# KiCad board processor.Z80.kicad_pcb (continued)
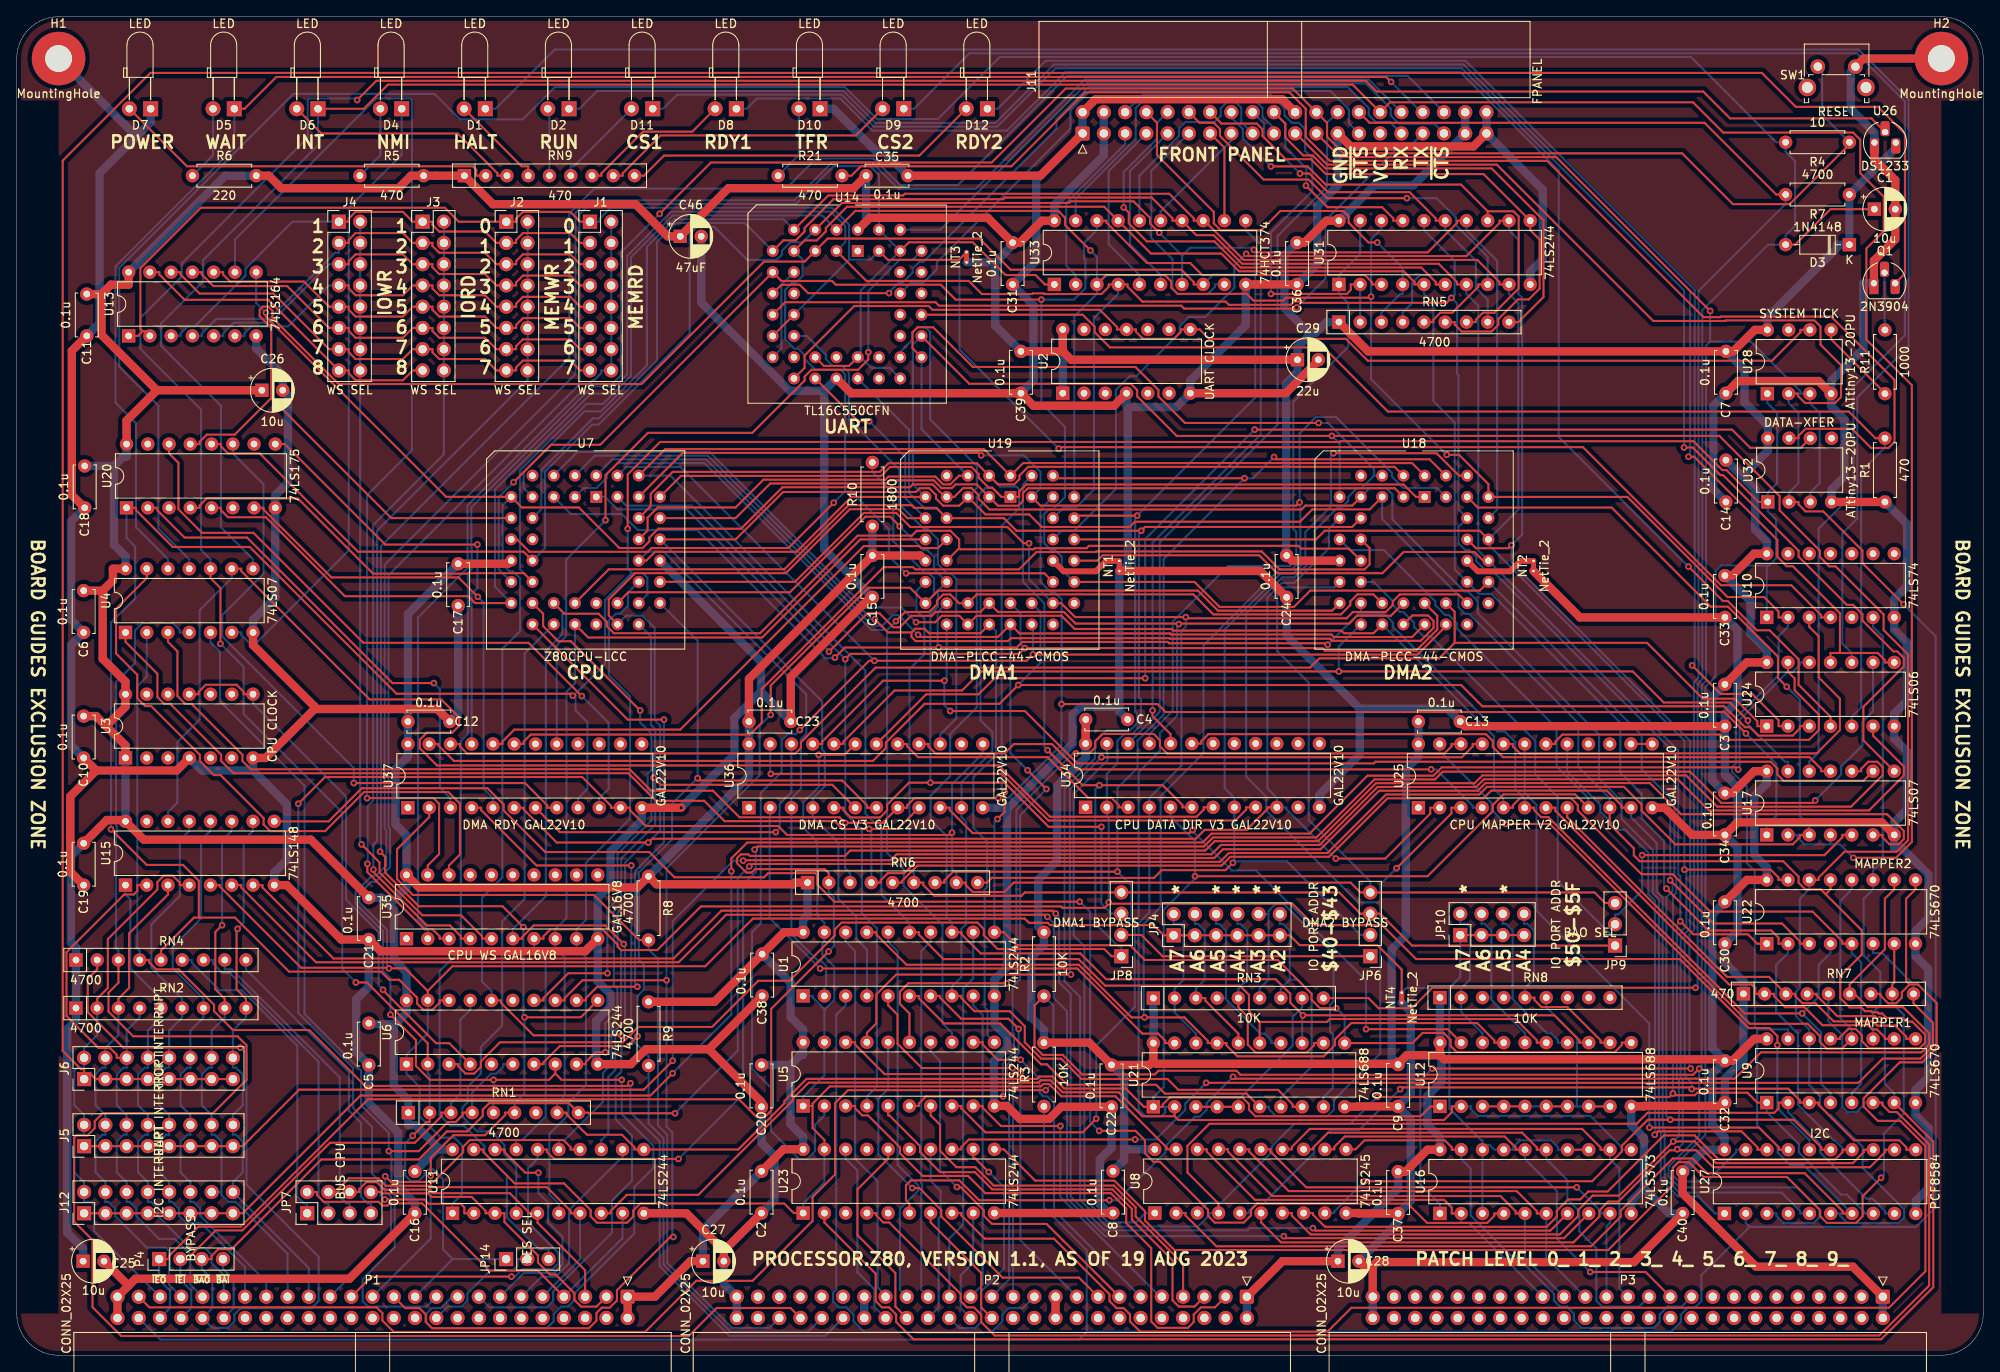
[diagram p0: board, top side]
## Routing (per net, layer and track width the routed paths; a pad name or vN(x,y) marks a point on that pad's centre or on a via; arc(x,y) is an arc through that point) (continued)
ONE: length 264.3
  Top w0.25: NT3.2 112.59,130.94 104.1,130.94 U14.43 ; U13.2 15.91,122.41 15.06,122.41 ; U14.14 U14.15 ; v1(124.51,108.37) 124.7,108.55 187.16,108.55 203.66,92.04 212.06,92.04 215.62,88.48 215.62,88.2 U10.4 ; 15.06,122.41 14.5,121.85 U13.1 ; 15.06,122.41 14.78,122.69 14.78,129.95 22,137.17 51.16,137.17 52.83,135.5 J2.1 59.68,135.5 59.68,135.87 60.48,136.68 66.15,136.68 67.32,135.5 J1.1
  Bottom w0.25: J1.1 69.68,135.5 69.68,135.87 70.97,137.17 97.44,137.17 99.46,135.14 99.46,130.95 ; U14.14 92.89,124.38 99.46,130.95 ; NT3.2 112.66,131.01 112.66,120.22 v1(124.51,108.37) ; U14.43 101.99,130.95 99.46,130.95
RAW-CLK: length 64.8
  Top w0.25: 20.62,79.02 21.74,79.02 21.74,79.3 22.58,80.15 26.27,80.15 27.11,79.3 27.11,79.02 U3.8 ; v1(43.78,43.69) 43.78,43.63 50.09,37.31 51.69,37.31 U6.4
  Bottom w0.25: U3.8 28.23,77.89 39.35,66.78 39.35,54.47 43.24,50.58 43.24,44.22 v1(43.78,43.69)
RDY-Q0: length 58.7
  Top w0.25: U20.2 16.79,101.3 16.79,101.02 20.06,97.75 27.51,97.75 44.91,80.35 v1(49.84,80.35)
  Bottom w0.25: U37.3 51.83,66.58 50.56,67.85 50.56,79.63 v1(49.84,80.35)
RDY-Q1: length 57.2
  Top w0.25: U20.7 29.49,101.3 29.49,101.1 37.6,92.98 52.78,92.98 v1(55.1,90.66)
  Bottom w0.25: v1(55.1,90.66) 55.78,89.98 55.78,67.7 56.91,66.58 U37.5
READY: length 75.6
  Top w0.25: U4.13 15.53,92.89 11.87,89.23 11.87,83.88 14.4,81.35 14.4,78.53 15.33,77.6 16.06,77.6 21.88,71.78 21.88,71.03 23.56,69.35 24.36,69.35 29.5,64.2 29.5,63.45 30.29,62.66 36.85,62.66 41.52,67.33 51.58,67.33 52.96,65.95 52.96,59.85 51.66,58.55 U35.18
RESET: length 88.5
  Top w0.25: v1(101.76,119.9) 101.76,119.02 100.53,117.8 94.97,117.8 94.15,116.98 94.15,116.51 87.9,110.26 75.42,110.26 70.36,105.2 v1(70.36,99.82)
  Bottom w0.25: v1(101.76,119.9) 101.76,127.2 105.53,130.96 107.08,130.96 U14.39 ; v1(70.36,99.82) 65.66,95.12 65.66,85.98 64.53,84.85 U37.17
RX: length 90
  Top w0.25: v1(104.24,126.95) 94.57,126.95 93.57,127.96 91.38,127.96 U14.11
  Bottom w0.25: J11.31 164.11,147.42 162.39,147.42 161.57,148.24 161.57,149.08 159.06,151.59 128.05,151.59 124.25,147.78 124.25,146.62 108.36,130.73 107.88,130.73 107.07,129.92 107.07,129.44 105.82,128.19 105.37,128.19 104.24,127.05 v1(104.24,126.95)
SEL-A14: length 100.2
  Top w0.25: v1(126.57,71.96) 128.17,71.96 128.89,72.68 128.89,73.43 129.73,74.26 135.87,74.26 136.62,73.52 136.62,72.79 137.47,71.93 170.6,71.93 171.45,72.79 171.45,73.07 U25.22 ; 106.68,37.42 106.68,40.86 105.54,42 105.54,43.45 106.55,44.47 v1(118.29,44.47)
  Bottom w0.25: v1(118.29,44.47) 119.46,45.64 119.46,65.19 126.23,71.96 v1(126.57,71.96)
SEL-A15: length 104.3
  Top w0.25: v1(129.62,71.48) 172.69,71.48 173.99,72.79 173.99,73.07 U25.21 ; v1(125.98,45.5) 105.09,45.5 102.72,43.14 102.72,39.67 101.59,38.55 U5.17
  Bottom w0.25: v1(129.62,71.48) 125.85,67.71 125.85,45.64 v1(125.98,45.5)
TX: length 91.4
  Top w0.25: v1(152.95,125.24) 152.82,125.11 139.51,125.11 139.16,125.46 110.22,125.46 109.8,125.87 91.83,125.87 U14.13
  Bottom w0.25: v1(152.95,125.24) 156.4,128.69 156.4,135.68 165.55,144.84 166.8,144.84 J11.33
UART-CLK: length 131.7
  Top w0.25: U28.6 213.15,122.57 213.15,122.29 209.74,118.87 161.46,118.87 158.84,121.49 142.49,121.49 141.37,122.62 U2.8 139.11,122.62 139.11,122.34 138.27,121.49 134.59,121.49 133.75,122.34 133.75,122.62 U2.11 131.49,122.62 131.49,122.9 129.42,124.97 109.43,124.97 108.98,125.42 100.07,125.42 94.15,119.5 94.15,118.03 U14.18
WS-IORD: length 94.7
  Top w0.25: v1(41.9,58.75) 41.9,57.76 48.73,50.93 49.69,50.93 50.53,50.08 50.53,49.8 U35.3
  Bottom w0.25: J3.2 J3.4 J3.6 J3.8 J3.10 J3.12 J3.14 J3.16 51.04,107.69 42.59,99.24 42.59,66.3 41.94,65.65 41.94,58.79 v1(41.9,58.75)
WS-IOWR: length 95.6
  Top w0.25: v1(41.2,61.07) 43.35,58.92 43.35,57.72 48.48,52.59 53.1,52.59 55.61,50.08 55.61,49.8 U35.5
  Bottom w0.25: J4.2 J4.4 J4.6 J4.8 J4.10 J4.12 J4.14 J4.16 41.04,61.23 v1(41.2,61.07)
WS-MEMRD: length 96.5
  Bottom w0.25: U35.2 49.11,50.93 47.95,52.09 47.95,88.18 53.88,94.11 53.88,96.41 53.87,96.42 53.87,101.58 68.83,116.54 68.99,116.54 69.86,117.42 69.86,117.72 J1.16 J1.14 J1.12 J1.10 J1.8 J1.6 J1.4 J1.2
WS-MEMWR: length 100.4
  Top w0.25: v1(42.62,58.06) 42.62,57.77 49.02,51.38 51.78,51.38 53.07,50.08 53.07,49.8 U35.4
  Bottom w0.25: v1(42.62,58.06) 42.62,61.05 43.07,61.5 43.07,98.58 61.04,116.54 J2.16 J2.14 J2.12 J2.10 J2.8 J2.6 J2.4 J2.2
ZERO: length 451
  Top w0.25: U14.21 96.46,118.26 99.46,118.26 U14.25 ; 49.11,43.55 46.41,46.25 v1(44.47,46.25) 44.41,46.32 33.99,46.32 24.28,56.02 24.28,56.2 U15.5 ; 49.11,43.55 U6.19 ; 49.11,43.55 52.07,46.5 82.28,46.5 87.98,52.2 120.45,52.2 120.97,51.69 123.22,51.69 123.49,51.42 135.86,51.42 137.07,50.2 JP4.1 JP4.3 JP4.5 JP4.7 JP4.9 JP4.11 152.13,50.2 153.3,49.02 162.59,49.02 165.5,46.12 NT4.2 ; JP10.1 JP10.3 JP10.5 JP10.7 ; U14.41 106.62,133.04 114.25,133.04 118.16,129.13 121.75,129.13 122.87,128 U33.1 ; U16.14 U16.13
  Bottom w0.25: U6.19 49.11,38.47 46.58,35.93 U6.1 46.58,33.67 48.15,32.1 48.15,28.54 50.68,26.01 52.28,26.01 53.2,25.1 53.2,19.23 52.08,18.1 U11.1 ; 171.2,43.91 166.06,43.91 NT4.2 ; 171.2,43.91 172.5,45.21 JP10.1 ; 171.2,43.91 171.2,29.51 175.01,25.7 175.16,25.7 175.16,25.13 ; 175.16,25.13 U16.18 U16.3 ; 175.16,25.13 176.01,25.13 176.57,24.57 U16.17 178.82,24.57 178.82,24.85 179.66,25.7 183.35,25.7 184.19,24.85 184.19,24.57 U16.14 ; 100.85,119.3 100.85,127.27 U14.41 U14.42 103.04,141.08 101.98,142.14 97.62,142.14 93.1,137.62 68.46,137.62 67.22,136.39 67.22,116.05 44.42,93.25 44.42,63.14 44.6,62.96 44.6,58.34 42.85,56.59 42.35,56.59 40.95,55.19 40.95,54.15 44.25,50.84 44.25,46.48 v1(44.47,46.25) ; 100.85,119.3 U14.25 ; 100.85,119.3 102.12,118.03 104.31,118.03 U14.28
~{BAI}: length 8.1
  Bottom w0.25: P4.4 24.64,10.32 25.92,9.05 25.92,5.64 P1.40
~{BAO}: length 333.7
  Top w0.25: RN4.2 9.62,46.12 8.48,44.99 8.48,41.03 12.73,36.78 v1(26.72,36.78) ; v1(87.54,58.44) 87.83,58.72 104.93,58.72 105.63,59.43 143.09,59.43 144.15,60.48 155.8,60.48 162.8,67.48 174.59,67.48 175.51,68.4 195.16,68.4 198.88,64.68 223.5,64.68 225.5,62.68 225.5,61.7 224.88,61.07 223.79,61.07 222.95,61.92 222.95,62.2 U17.6 ; v1(78.67,28.93) 68.32,28.93 68.25,29 RN1.9 65.99,30.13 56.46,30.13 55.69,29.37 55.69,28.61 53.84,26.76 51.41,26.76 48.06,23.4 36.39,23.4 25.66,12.68 24.08,12.68 23.27,11.87 23.27,11.5 P4.3
  Bottom w0.25: P4.3 22.1,10.32 23.38,9.04 23.38,5.64 P1.42 23.38,3.28 25.24,3.28 26.01,4.05 26.01,4.89 26.75,5.64 35.23,5.64 36.08,6.48 36.08,11.76 27.46,20.38 27.46,36.04 v1(26.72,36.78) ; v1(87.54,58.44) 86.16,57.06 86.16,36.42 v1(78.67,28.93)
~{BUS-EN}: length 163.3
  Top w0.25: U36.19 98.9,71.77 v1(95.84,71.77) ; U23.19 96.51,25.75 95.1,27.16 95.1,29.8 ; U5.1 95.1,29.8 ; 95.1,29.8 95.1,30.08 97.16,32.14 122.39,32.14 122.66,32.42 123.37,32.42 124.82,30.96 131.29,30.96 137.41,24.84 137.41,24.62 U8.19 ; U11.19 55.74,24.59 55.74,24.31 59.51,20.54 65.39,20.54 68.58,17.35 68.58,16.61 69.34,15.85 72.94,15.85 73.67,16.58 73.67,17.3 74.5,18.14 91.71,18.14 92.85,17 U23.1
  Bottom w0.25: U5.1 93.97,30.93 96.51,33.47 U5.19 96.51,41.3 96.54,41.33 ; U23.19 96.51,20.67 93.97,18.13 U23.1 ; 96.54,41.33 97.69,42.48 97.69,46.47 96.28,47.88 96.28,49.21 96.51,49.44 U1.19 96.51,51.7 95.67,52.54 95.67,61.37 93.99,63.05 93.99,66.08 95.84,67.93 v1(95.84,71.77) ; 96.54,41.33 95.1,42.77 95.1,42.95 U1.1
~{BUSACK}: length 27.7
  Top w0.25: U11.18 58.28,24.59 58.28,24.31 60.77,21.82 v1(62.34,21.82)
  Bottom w0.25: v1(62.34,21.82) 62.34,19.41 63.5,18.24 63.5,15.89 65.22,14.17 65.22,10.85 64.22,9.85 60.61,9.85 P1.13
~{BUSRQ}: length 223.3
  Top w0.25: P1.23 46.42,5.64 48.13,5.64 48.87,4.89 48.87,3.99 49.62,3.23 68.38,3.23 69.28,4.14 69.28,5.05 69.92,5.69 70.87,5.69 71.73,6.55 71.73,7.77 78.1,14.15 v1(78.46,14.15) ; v1(90.1,76.55) 90.1,80.07 101.77,91.74 106.75,91.74 U19.17 110.09,91.4 141.15,91.4 143.54,89 157.19,89 U18.17 ; v1(77.65,44.83) 67.61,44.83 65.48,42.7 65.48,42.42 U6.13
  Bottom w0.25: U19.17 109.63,90.94 109.63,92.87 108.95,93.55 108.51,93.55 104.75,97.3 104.75,103.09 102.25,105.59 R10.2 ; v1(90.1,76.55) 88.77,75.23 88.77,69.32 77.65,58.2 v1(77.65,44.83) 77.65,27.33 78.35,26.63 78.35,14.26 v1(78.46,14.15)
~{CE-DMA-RDY}: length 41.2
  Top w0.25: v1(90.7,62.53) 64.91,62.53 U37.7
  Bottom w0.25: v1(90.7,62.53) 91.17,62.99 91.17,65.87 92.58,67.29 U36.22
~{CPU-BUSACK}: length 121.5
  Top w0.25: v1(129.61,63.17) 123.32,63.17 118.04,68.45 v1(109.18,68.45) 106.63,68.45 104.01,65.83 104.01,65.13 103.17,64.29 99.67,64.29 98.79,65.17 98.79,65.45 U36.5 ; U7.27 73.09,91.21 92.39,91.21 101.43,100.24 104.38,100.24 v1(105.52,99.1)
  Bottom w0.25: JP8.3 130.82,52.78 129.61,53.99 v1(129.61,63.17) ; v1(105.52,99.1) 108.37,96.25 108.8,96.25 109.63,95.42 109.63,93.94 U19.16 110.08,91.39 110.08,89.48 109.18,88.58 v1(109.18,68.45)
~{CPU-BUSRQ}: length 94
  Top w0.25: U6.7 62.94,34.8 62.94,35 64.89,36.96 73.02,36.96 v1(74.18,38.13) ; v1(81.37,68.98) 81.64,68.7 98.64,68.7 101.61,65.73 101.61,65.45 U36.7
  Bottom w0.25: U7.29 81.37,85.41 v1(81.37,68.98) 78.31,65.92 78.31,61.66 74.34,57.69 74.34,47.27 74.93,46.68 74.93,43.7 74.18,42.95 v1(74.18,38.13)
~{CPU-HALT}: length 78.5
  Bottom w0.25: U7.20 60.69,83.89 60.69,54.54 58,51.86 58,39.4 55.47,36.86 55.47,33.67 53.9,32.11 53.9,30.28 53.26,29.64 53.26,28.53 55.04,26.75 56.67,26.75 58.28,25.14 58.28,24.04 59.69,22.63 U11.4
~{CPU-INT}: length 62
  Top w0.25: U6.12 68.02,42.42 68.02,42.7 69.37,44.06 v1(74.16,44.06) ; U7.18 73.02,75.98 v1(77.34,75.98)
  Bottom w0.25: v1(74.16,44.06) 73.89,44.33 73.89,57.87 77.34,61.33 v1(77.34,75.98)
~{CPU-IORQ}: length 361.1
  Top w0.25: U7.22 68.28,85.8 89.09,85.8 100.81,97.52 U19.11 ; U25.9 186.22,67.05 177.66,67.05 176.39,65.78 176.39,65.06 168.59,57.26 v1(140.8,57.26) ; RN1.8 65.71,29 65.71,28.79 68.13,26.36 72.33,26.36 73.81,24.88 73.81,24.59 U11.11 86.22,24.59 91.74,30.12 91.74,30.39 94.39,33.04 121.92,33.04 122.2,33.32 123.74,33.32 125.18,31.88 132.52,31.88 134.7,29.7 U21.1 136.95,29.7 136.95,29.98 137.79,30.83 146.46,30.83 147.25,30.03 147.25,29.34 148.02,28.57 167.77,28.57 168.95,29.75 U12.1
  Bottom w0.25: U34.5 137.88,64.37 140.8,61.45 v1(140.8,57.26) 140.8,57 137.07,53.26 137.07,32.07 135.82,30.83 U21.1 ; U25.9 187.82,66.58 184.01,70.39 184.01,74.96 172.06,86.91 172.06,87.56 171.12,88.51 170.68,88.51 169.52,89.66 169.52,90.11 163.38,96.25 159.36,96.25 U18.11 ; RN1.8 64.58,30.13 65.48,31.03 65.48,47.55 64.36,48.67 U35.8 64.36,50.93 65.7,52.27 65.7,79.31 66.71,80.32 U7.22
~{CPU-M1}: length 312.8
  Top w0.25: U7.31 93,92.45 101.24,100.69 105.1,100.69 106.78,99.01 118.38,99.01 120.33,97.06 v1(120.96,97.06) ; U19.30 124.81,89.9 126.47,88.23 v1(139.7,88.23) 139.84,88.09 158.92,88.09 159.67,88.85 163.6,88.85 164.44,89.69 164.44,90.11 165.28,90.95 172.28,90.95 U18.30 ; 172.62,29.75 171.49,29.75 171.49,29.05 170.57,28.12 138.82,28.12 138.37,28.57 ; U21.2 138.37,28.57 ; 138.37,28.57 134.53,28.57 131.67,31.43 124.99,31.43 123.55,32.87 122.39,32.87 122.11,32.59 94.65,32.59 92.76,30.7 92.76,30.48 81.46,19.18 72.9,19.18 70.98,17.26 70.98,16.97 U11.8
  Bottom w0.25: U16.11 191.81,24.57 191.81,24.85 188.04,28.62 174.58,28.62 173.74,29.47 173.74,29.75 172.62,29.75 ; v1(139.7,88.23) 139.7,87.11 139.18,86.59 139.18,70.46 135.34,66.63 U34.4 135.34,52.92 134.06,51.64 134.06,29.4 134.88,28.57 136.82,28.57 137.24,29 137.24,29.7 U21.2 ; U19.30 120.96,92.77 v1(120.96,97.06)
~{CPU-MREQ}: length 191.6
  Top w0.25: 112.62,96.47 112.75,96.34 121.54,96.34 121.67,96.47 127.84,96.47 128.12,96.75 153.16,96.75 153.5,96.42 159.19,96.42 U18.14 ; 112.62,96.47 U19.14 ; 112.62,96.47 112.62,97.51 111.57,98.56 107.55,98.56 106.97,97.97 100.5,97.97 88.83,86.31 71.36,86.31 70.52,87.15 70.52,87.65 69.53,88.64 65.44,88.64 U7.21 ; v1(72.53,49.16) 70.31,51.38 61.78,51.38 60.4,49.99 60.4,49.8 U35.6
  Bottom w0.25: v1(72.53,49.16) 72.68,49.01 72.68,39.96 71.52,38.81 71.52,34.09 70.7,33.27 70.7,26.57 69.86,25.72 U11.13 ; U35.6 59.28,50.93 63.23,54.88 63.23,84.21 65.21,86.18 65.21,88.87 U7.21
~{CPU-NMI}: length 63.8
  Top w0.25: U6.14 62.94,42.42 62.94,42.7 65.9,45.67 v1(70.58,45.67) ; U7.19 62.9,88.64 62.9,87.16 64.71,85.35 66.22,85.35 v1(74.5,77.07)
  Bottom w0.25: v1(70.58,45.67) 70.58,53.28 71.79,54.49 71.79,59.88 75.84,63.93 75.84,67.2 75.38,67.65 75.38,69.5 75.84,69.95 75.84,74.31 74.5,75.65 v1(74.5,77.07)
~{CPU-RD}: length 371.9
  Top w0.25: v1(130.5,54.14) 130.5,53.98 ; 130.5,53.98 130,53.48 124.97,53.48 124.8,53.65 81.76,53.65 76.54,48.43 72.23,48.43 71.81,48.86 71.81,49.08 69.96,50.93 63.78,50.93 62.94,50.08 62.94,49.8 U35.7 ; 130.5,53.98 152.44,53.98 155.01,51.42 163.17,51.42 167.22,47.36 198.72,47.36 206.97,39.11 209.45,39.11 210.4,38.16 v1(210.4,37.07) ; U7.23 70.75,93.95 91.73,93.95 99.39,101.61 106.95,101.61 107.26,101.3 109.89,101.3 U19.10 117.97,100.06 119.47,98.56 v1(134.38,98.56) 134.83,99.01 159.58,99.01 U18.10
  Bottom w0.25: v1(210.4,37.07) 210.4,29.54 214.24,25.7 214.24,24.57 ; U11.17 59.69,25.72 60.4,25.72 63.2,28.52 63.2,47.29 61.81,48.67 U35.7 ; U19.10 110.02,101.17 108.55,101.17 106.63,103.09 106.63,110.63 U14.24 ; v1(134.38,98.56) 134.1,98.28 134.1,78.65 134.33,78.42 134.33,75.28 133.29,74.25 132.32,74.25 131.53,73.46 131.53,70.77 130.26,69.5 U34.2 130.26,64.37 130.5,64.14 v1(130.5,54.14)
~{CPU-RESET}: length 474
  Top w0.25: 21.76,52.31 26.08,52.31 32.54,45.86 43.53,45.86 44.5,44.89 45.71,44.89 47.84,42.75 47.84,42.04 48.59,41.29 49.69,41.29 50.53,42.14 50.53,42.42 U6.18 ; 21.76,52.31 21.76,56.72 19.86,58.62 15.52,58.62 v1(11.26,62.88) ; 21.76,52.31 21.17,52.31 17.23,48.38 RN4.5 ; U20.1 14.25,101.3 14.25,101.02 18.65,96.61 27.84,96.61 45.38,79.08 66.21,79.08 v1(66.45,78.83) ; U32.1 208.12,102 204.32,105.81 203.82,105.81 200.36,109.26 158.19,109.26 158.1,109.17 76.88,109.17 73.01,105.3 v1(73.01,98.79)
  Bottom w0.25: 206.62,24.57 205.49,24.57 205.49,24.29 201.97,20.77 198.64,20.77 197.9,21.51 197.9,22.44 201.79,26.33 201.79,56.99 201.81,57 201.81,59.1 201.79,59.11 201.79,79.91 203,81.12 203,93.73 203.68,94.41 209.12,94.41 ; U28.1 209.2,113.82 210.38,112.65 210.38,104.25 209.25,103.13 U32.1 209.25,100.87 210.25,99.87 210.25,95.25 209.41,94.41 209.12,94.41 ; 73.53,93.51 73.01,94.03 v1(73.01,98.79) ; 73.53,93.51 74.8,93.51 75.37,92.94 75.37,90.95 U7.30 ; 73.53,93.51 70.3,90.29 70.3,82.62 66.77,79.09 66.77,78.83 ; 209.12,94.41 U10.1 ; 66.77,78.83 66.77,77.1 68.2,75.68 68.2,67.7 67.07,66.58 U37.9 ; 66.77,78.83 v1(66.45,78.83) ; U20.1 13.12,97.7 14.16,96.67 14.16,90.48 11.26,87.58 v1(11.26,62.88)
~{CPU-RFSH}: length 83.7
  Bottom w0.25: U11.6 64.78,18.1 63.65,19.23 63.65,26.47 65.93,28.76 65.93,30.2 68.02,32.29 68.02,47.55 66.89,48.67 U35.9 66.89,50.93 68.02,52.05 68.02,58.86 73.29,64.14 73.29,78.75 70.75,81.29 70.75,87.81 71.59,88.64 72.08,88.64 73.06,89.62 73.06,91.18 U7.32
~{CPU-WAIT}: length 84.7
  Top w0.25: v1(76.11,69.03) 76.95,68.2 97.45,68.2 U36.6 ; v1(70.33,36.21) 69.15,36.21 68.02,35.08 68.02,34.8 U6.9
  Bottom w0.25: U7.28 75.8,85.9 75.8,75.34 76.29,74.85 76.29,69.21 v1(76.11,69.03) 76.29,68.85 76.29,63.43 72.24,59.38 72.24,53.98 71.36,53.1 71.36,44.21 71.78,43.79 71.78,41.14 70.33,39.69 v1(70.33,36.21)
~{CPU-WR}: length 302.5
  Top w0.25: U7.26 70.75,88.41 70.75,90.34 73.89,93.49 91.9,93.49 99.55,101.14 105.36,101.14 106.44,100.06 U19.9 ; U37.6 60.58,65.45 60.58,65.25 64.53,61.29 v1(75.47,61.29) 75.92,61.74 140.89,61.74 141.95,62.8 146.97,62.8 149.46,65.3 149.46,65.5 U34.10 ; v1(101.87,111.66) 100.52,111.66 U14.20 ; U25.2 168.91,65.45 168.91,64.75 163.54,59.37 v1(157.63,59.37)
  Bottom w0.25: v1(101.87,111.66) 106.18,107.35 106.18,102.47 U19.9 ; U7.26 72.83,88.41 74.76,88.41 76.25,86.92 76.25,75.91 76.89,75.27 76.89,62.71 v1(75.47,61.29) 75.11,61.29 72.69,58.87 72.69,53.8 71.81,52.91 71.81,48.86 72.23,48.44 72.23,40.79 71.07,39.63 71.07,34.79 70.05,33.77 70.05,30.29 65.48,25.72 64.78,25.72 U11.15 ; v1(157.63,59.37) 151.71,65.28 151.71,65.5 U34.10 150.59,66.63 149.45,67.76 149.45,90.58 151.19,92.31 152.65,92.31 156.81,96.48 156.81,98.78 U18.9
~{CS-I2C-WR}: length 66.3
  Top w0.25: U27.18 208.03,24.57 208.03,24.85 206.11,26.77 196.15,26.77 v1(195.74,26.36)
  Bottom w0.25: U25.17 185.28,69.75 189.23,65.8 189.23,64.98 191.38,62.83 192.22,62.83 194.97,60.08 194.97,55.15 195.77,54.34 195.77,27.88 195.83,27.82 195.83,26.45 v1(195.74,26.36)
~{CS-I2C}: length 69.9
  Top w0.25: U27.17 210.57,24.57 210.57,24.85 208.2,27.22 v1(195.1,27.22)
  Bottom w0.25: v1(195.1,27.22) 195.1,39.65 181.61,53.14 181.61,65.8 180.2,67.21 U25.19
~{CS-IO}: length 77.9
  Top w0.25: 172.62,37.37 171,38.98 v1(161.24,38.98) ; U36.10 111.49,65.45 111.49,65.17 114.24,62.42 140.14,62.42 v1(140.52,62.79)
  Bottom w0.25: v1(140.52,62.79) 140.52,62.64 145.21,57.95 148.09,57.95 161.24,44.8 v1(161.24,38.98)
~{CS-MAP}: length 71.7
  Top w0.25: v1(169.02,70.04) 126.72,70.04 123.7,73.06 119.16,73.06 118.04,71.94 109.79,71.94 108.95,72.79 108.95,73.07 U36.16
  Bottom w0.25: v1(169.02,70.04) 169.62,70.04 173.99,65.66 173.99,65.45 U25.4
~{CS-UART}: length 59.7
  Bottom w0.25: U14.16 94.43,121.84 96.69,119.58 96.69,119.08 97.51,118.26 98.65,118.26 99.45,117.46 99.45,111.89 105.46,105.89 105.46,101.73 108.4,98.78 108.82,98.78 110.08,97.53 110.08,94.56 111.16,93.48 111.62,93.48 112.27,92.83 112.27,76.11 110.36,74.2 U36.15
~{CTS}: length 75.2
  Bottom w0.25: J11.35 169.37,147.23 165.17,147.23 164.2,148.19 164.2,149.01 161.18,152.04 127.87,152.04 110.37,134.54 U14.40
~{DMA-ADDR}: length 68
  Top w0.25: v1(96.01,46.22) 96.01,46.23 126.73,46.23 134.52,38.45 136.4,38.45 137.24,37.6 137.24,37.32 U21.19
  Bottom w0.25: v1(96.01,46.22) 89.98,52.25 89.98,64.26 90.04,64.32 U36.2
~{DMA-BAO1}: length 183
  Top w0.25: RN6.6 108.33,56.5 108.33,56.22 109.62,54.92 120.07,54.92 120.47,55.32 JP8.4 158.03,55.32 160.57,52.78 JP6.3 162.93,52.78 166.73,48.97 JP9.1
  Bottom w0.25: JP9.1 191,50.15 190.63,50.15 184.15,56.63 184.15,66.75 181.47,69.44 181.47,73.43 168.95,85.95 168.1,85.95 166.98,87.07 166.98,87.57 165.69,88.86 165.27,88.86 164.44,89.69 164.44,90.16 162.16,92.44 U18.16 ; RN6.6 107.2,57.63 106.69,58.14 106.69,82.02 108.47,83.8 108.47,88.03 107.52,88.98 107.52,91.37 U19.15
~{DMA-BAO2}: length 293.6
  Top w0.25: U11.2 53.49,16.97 53.49,17.68 53.07,18.1 49.22,18.1 48.71,18.62 v1(43.99,18.62) ; JP9.3 189.82,54.06 188.56,55.32 JP6.4 160.57,55.32 159.4,56.5 119.13,56.5 118.01,55.37 114.25,55.37 113.41,56.22 113.41,56.5 RN6.8 ; v1(33.65,65.93) 36.84,69.12 67.57,69.12 71.02,65.67 71.02,65.45 U37.11 73.28,65.45 73.28,65.17 75.18,63.26 91,63.26 92.07,62.19 111.49,62.19 v1(111.77,62.47)
  Bottom w0.25: v1(33.65,65.93) 33.65,40.9 40.19,34.35 40.19,29.58 42.47,27.31 42.47,21.71 43.5,20.68 43.5,19.12 v1(43.99,18.62) ; U36.13 115.44,71.94 111.77,68.27 v1(111.77,62.47) 111.77,58.14 112.28,57.63 RN6.8 ; JP6.4 161.75,56.64 154.4,63.99 154.4,80.39 150.62,84.16 150.62,91.09 151.32,91.78 157.43,91.78 U18.15
~{DMA-CS1}: length 144.6
  Top w0.25: U36.21 96.25,73.07 96.25,73.35 103.53,80.63 v1(110.86,80.63) ; v1(111.55,77.01) 120.47,77.01 126.73,70.75 162.17,70.75 162.36,70.95 209.6,70.95 210.4,70.15 210.4,69.42 211.14,68.67 220.68,68.67 U17.9
  Bottom w0.25: U19.18 111.13,80.91 v1(110.86,80.63) 110.86,77.7 v1(111.55,77.01)
~{DMA-CS2}: length 130.4
  Top w0.25: U36.20 98.79,73.07 98.79,73.35 104.89,79.46 112.96,79.46 115.24,81.74 157.98,81.74 v1(157.98,81.74) 193.11,81.74 196.82,78.03 204.73,78.03 v1(206.87,75.88)
  Bottom w0.25: U17.13 211.66,70.95 211.32,70.95 206.87,75.39 v1(206.87,75.88) ; v1(157.98,81.74) 157.98,84.71 U18.18
~{DMA-IEI1}: length 168.2
  Top w0.25: v1(123.19,72.33) 127.38,68.14 v1(129.38,68.14) 136.94,68.14 139.3,65.78 139.3,65.5 U34.6 ; U6.3 52.78,34.8 52.78,34.52 53.62,33.67 54.66,33.67 55.47,34.48 55.47,35.13 57.75,37.41 72.44,37.41 74.27,39.24 83.09,39.24 88.61,44.76 92.34,44.76 97.75,50.17 97.75,50.9 98.57,51.72 114.79,51.72 115.56,50.95 115.56,50.21 117.22,48.56 129.97,48.56 130.82,47.7 JP8.1
  Bottom w0.25: v1(123.19,72.33) 122.79,72.72 122.79,89.89 120.24,92.44 120.24,104.09 U19.42 ; v1(129.38,68.14) 128.89,67.65 128.89,51.62 131.63,48.88 132,48.88 JP8.1
~{DMA-IEO1}: length 164.6
  Top w0.25: v1(146.72,104.84) 124.13,104.84 U19.40 ; JP6.1 136.93,47.7 134.39,50.24 JP8.2 ; RN6.7 110.87,56.5 110.87,56.78 111.89,57.81 v1(131.53,57.81) ; U18.42 168.83,107.1 150.52,107.1 v1(150.25,107.37)
  Bottom w0.25: v1(150.25,107.37) 147.71,104.84 v1(146.72,104.84) 137.04,95.16 137.04,76.58 133.93,73.47 133.93,70.21 131.53,67.81 v1(131.53,57.81) 133.19,56.15 133.19,52.24 132.37,51.42 132,51.42 JP8.2
~{DMA-IEO2}: length 124.2
  Top w0.25: v1(145.33,58.86) 144.45,57.99 136.83,57.99 135.91,57.06 116.51,57.06 115.95,56.5 RN6.9 ; v1(157.35,107.82) 169.67,107.82 172.35,105.14 U18.40
  Bottom w0.25: 145.5,59.04 U34.8 145.5,66.63 144.34,67.79 144.34,86.75 151.03,93.44 152.5,93.44 153.99,94.93 153.99,98.4 157.04,101.46 157.04,107.52 v1(157.35,107.82) ; 145.5,59.04 151.78,59.04 160.57,50.24 JP6.2 ; 145.5,59.04 v1(145.33,58.86)
~{DMA-INT-PULSE1}: length 260.8
  Top w0.25: 18.08,86.4 18.08,85.27 19.2,84.15 19.2,78.8 20.15,77.85 20.9,77.85 26.97,71.78 26.97,71.04 27.95,70.05 73.24,70.05 75.81,67.48 83.2,67.48 86.37,64.31 98.33,64.31 v1(99,63.64) 99.01,63.65 103.48,63.65 U36.8 106.41,65.45 106.41,65.73 107.26,66.59 v1(117.3,66.59) ; v1(206.63,74.33) 204.08,76.89 137.28,76.89 136.33,77.84 v1(124.85,77.84)
  Bottom w0.25: v1(206.63,74.33) 210.27,70.69 210.27,64.47 209.12,63.33 U17.1 ; v1(117.3,66.59) 118.47,66.59 124.85,72.96 v1(124.85,77.84) 124.87,77.87 124.87,90.33 124.04,91.17 123.62,91.17 122.34,92.45 122.34,101.11 U19.41 ; RN6.3 99.58,57.63 99,58.21 v1(99,63.64)
~{DMA-INT-PULSE2}: length 303.7
  Top w0.25: U36.9 105.29,62.92 v1(101.86,62.92) 101.86,62.91 98.7,62.91 97.76,63.85 84.58,63.85 82.15,66.28 76.38,66.28 73.08,69.57 25.89,69.57 24.42,71.04 24.42,71.78 18.34,77.87 17.61,77.87 16.8,78.67 16.8,81.46 12.99,85.27 U4.1 ; U17.3 213.08,62.2 213.08,61.92 212.24,61.07 198.2,61.07 194.17,65.1 194.17,65.84 192.06,67.95 175.69,67.95 174.78,67.03 163.62,67.03 156.63,60.03 144.84,60.03 143.79,58.98 107.42,58.98 106.07,57.63 104.09,57.63 103.25,56.78 103.25,56.5 RN6.4 ; v1(211.52,79.91) 210.47,80.96 210.47,83.5 204.48,89.49 202.43,89.49 190.59,101.33 174.6,101.33 U18.41
  Bottom w0.25: v1(101.86,62.92) 102.12,62.66 RN6.4 ; v1(211.52,79.91) 213.08,78.35 213.08,64.45 214.21,63.33 U17.3
~{DMA-RDY-WR}: length 53.2
  Top w0.25: U20.9 32.03,108.92 44.04,96.9 v1(55.04,96.9)
  Bottom w0.25: U37.21 54.37,91.04 55.04,91.71 v1(55.04,96.9)
~{DMA-RESET1}: length 64.7
  Top w0.25: U19.12 110.09,96.48 108.08,96.48 107.84,96.73 101.23,96.73 79.29,74.79 59.47,74.79 58.04,73.35 58.04,73.07 U37.20
~{DMA-RESET2}: length 119
  Top w0.25: U18.12 161.67,96.48 161.67,94.55 161.06,93.94 150.92,93.94 148.77,96.08 129.03,96.08 128.96,96.02 121.85,96.02 119.78,93.94 107.38,93.94 107.12,94.2 103.59,94.2 89.03,79.64 89.03,75.61 87.62,74.2 61.42,74.2 60.58,73.35 60.58,73.07 U37.19
~{DREQ0}: length 99.8
  Top w0.25: U37.2 49.29,64.32 45.44,60.48 45.44,56.92 47.34,55.02 68.98,55.02 74.37,49.63 R8.2
  Bottom w0.25: P2.46 89.92,3.26 85.51,3.26 77.73,11.04 77.73,26.36 76.63,27.47 76.63,47.38 75.5,48.5 R8.2
~{DREQ1}: length 94.3
  Top w0.25: v1(73.43,58.55) 62.12,58.55 55.5,65.17 55.5,65.45 U37.4
  Bottom w0.25: P2.42 94.55,2.81 85.32,2.81 77.28,10.84 77.28,25.94 75.5,27.72 75.5,33.5 R9.2 75.5,35.76 73.43,37.82 v1(73.43,58.55)
~{EIRQ0}: length 65.1
  Top w0.25: 20.62,56.2 19.49,56.2 19.49,56.48 18.65,57.33 17.58,57.33 16.8,56.55 16.8,55.67 10.88,49.75 10.88,43.9 9.61,42.63 RN2.2
  Bottom w0.25: RN2.2 9.61,38.29 8.05,36.73 8.05,34.38 7.24,34.38 6.87,34.01 6.87,29.89 8.05,28.72 J5.2 8.05,26.36 7.24,26.36 6.87,26 6.87,21.87 8.05,20.69 J12.2 8.05,18.34 8.86,18.34 9.23,17.97 9.23,14.89 P1.45
~{EIRQ1}: length 60
  Top w0.25: RN2.3 12.15,42.63 13.42,43.9 13.42,50.42 18.08,55.07 18.08,56.2
  Bottom w0.25: RN2.3 12.15,38.29 10.59,36.73 10.59,34.38 10.22,34.38 9.41,33.57 9.41,29.89 10.59,28.72 J5.4 10.59,26.36 10.22,26.36 9.41,25.56 9.41,21.87 10.59,20.69 J12.4 10.59,18.34 10.96,18.34 11.77,17.53 11.77,16.63 15.53,12.87 17.84,12.87 18.19,12.51 18.19,8.47 P1.43
~{EIRQ2}: length 73
  Top w0.25: 13.13,35.56 11.95,35.56 11.95,35.92 11.15,36.73 9.77,36.73 5.94,40.56 5.94,48.18 12.84,55.07 13.99,55.07 14.41,55.5 14.41,56.2 U15.2
  Bottom w0.25: RN2.4 14.69,40.37 13.13,38.81 13.13,34.38 12.76,34.38 11.95,33.57 11.95,29.89 13.13,28.72 J5.6 13.13,26.36 12.76,26.36 11.95,25.56 11.95,21.87 13.13,20.69 J12.6 13.13,18.34 13.5,18.34 14.31,17.53 14.31,16.61 17.01,13.91 18.89,13.91 20.73,12.06 20.73,8.47 P1.41
~{EIRQ3}: length 59
  Bottom w0.25: P1.39 24.74,9.59 23.27,11.05 23.27,12.04 22.5,12.81 20.71,12.81 16.85,16.67 16.85,17.53 16.04,18.34 15.67,18.34 J12.8 15.67,20.69 14.49,21.87 14.49,25.56 15.3,26.36 15.67,26.36 J5.8 15.67,28.72 14.49,29.89 14.49,33.57 15.3,34.38 15.67,34.38 15.67,38.81 17.23,40.37 RN2.5 17.23,42.63 13.57,46.29 13.57,54.5 12.99,55.07 U15.1
~{EIRQ4}: length 68.2
  Bottom w0.25: 20.62,63.82 20.62,62.69 19.49,61.57 19.49,54.89 16.09,51.49 16.09,46.31 19.77,42.63 RN2.6 19.77,40.37 18.21,38.81 18.21,34.38 17.84,34.38 17.03,33.57 17.03,29.89 18.21,28.72 J5.10 18.21,26.36 17.84,26.36 17.03,25.56 17.03,21.87 18.21,20.69 J12.10 18.21,18.34 18.58,18.34 19.39,17.53 19.39,16.67 20.26,15.8 22.02,15.8 27.28,10.54 P1.37
